# Altium PCB k210-core.PcbDoc (part 3 of 3)
Units mil, origin at the board's own origin, x right, y up, seen from the top; angles counter-clockwise.
Board outline 1855.97 x 1306.99 mil, 4 copper layers (Top Layer, GND, PWR, Bottom Layer), stack 53.912 mil thick; 94 components, 107 nets, 519 pads, 220 vias.
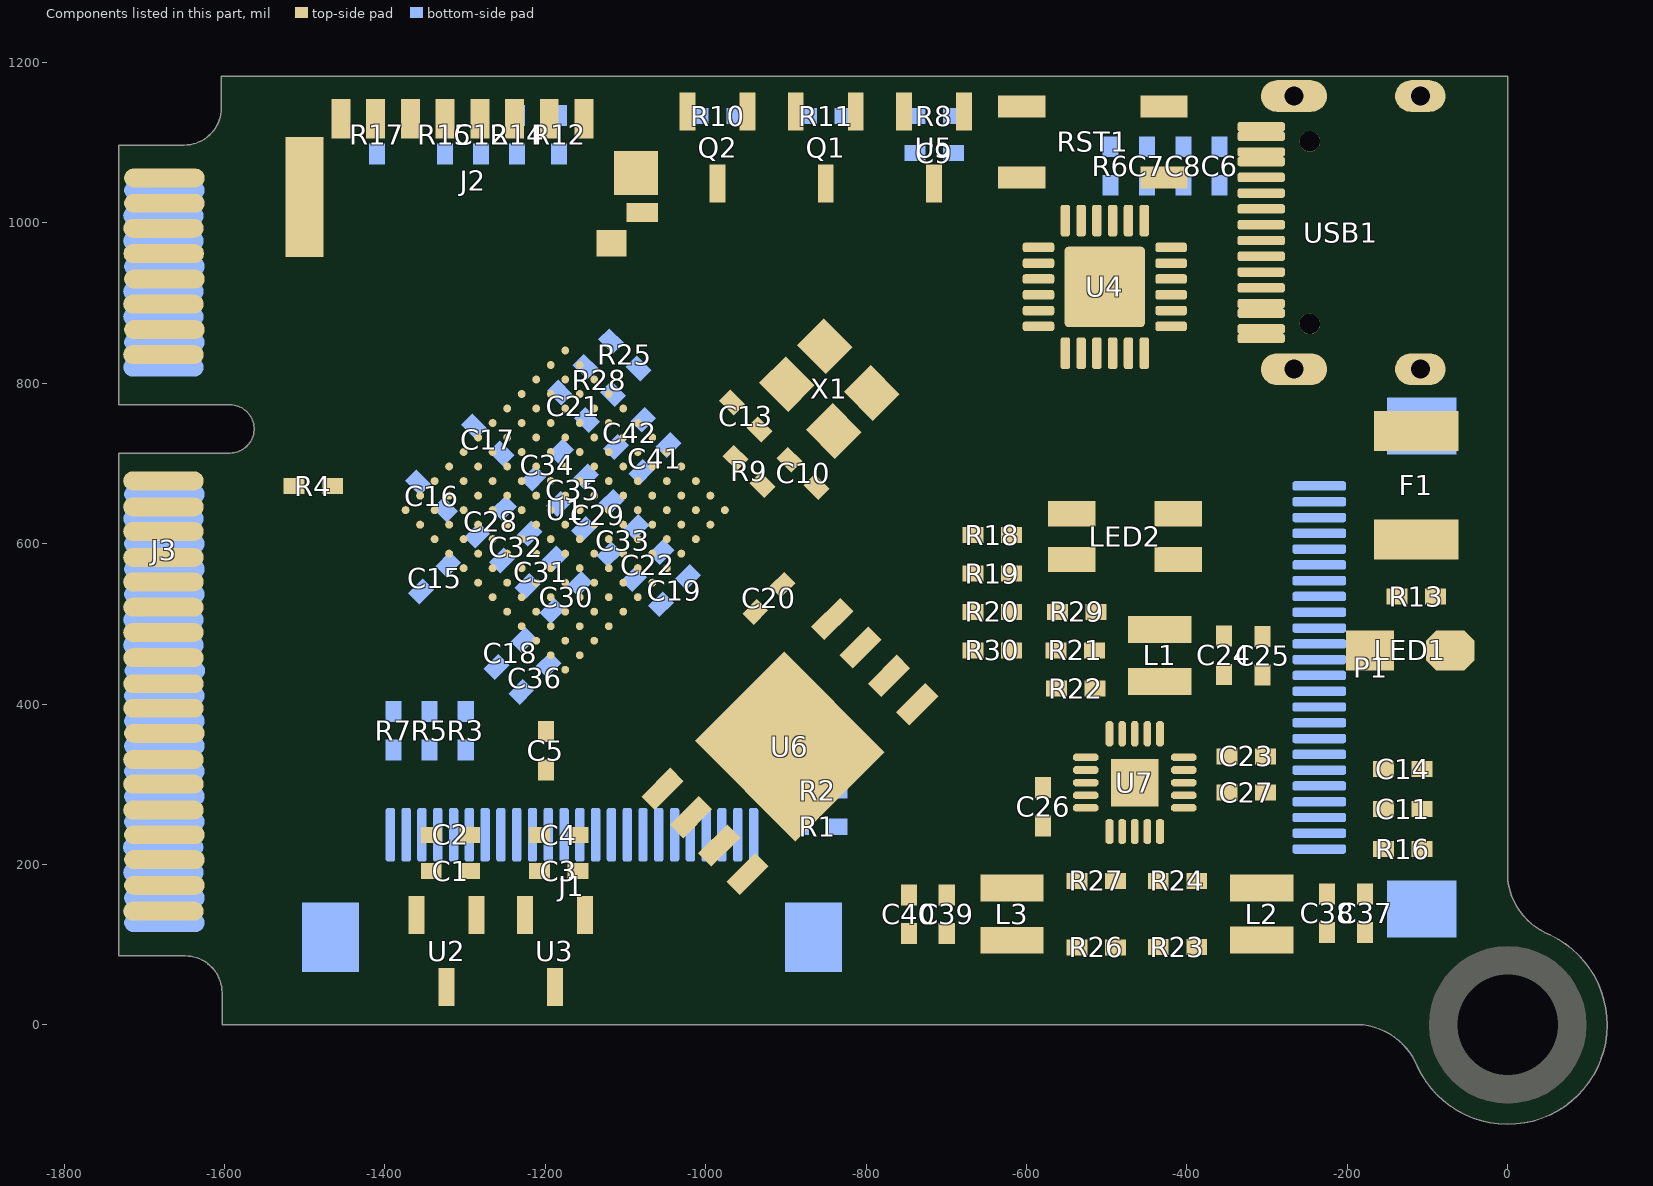
[diagram p5: the components of this part, seen from the top]

## Silkscreen, mask and mechanical layers (free items; w line width, h text height) (continued)
Drill Drawing:
  lines w6: -1650,86.23 -1732,86.23 -1732,713 -1593,713 ccw(c-1593,743) -1593,773 -1732,773 -1732,1097 -1650,1097 ccw(c-1650,1143) -1604,1143 -1604,1183 -1564,1183 ; -1649,86 cw(c-1649,40) -1603,40 -1603,0 -1564.23,0 ; -1564,0 -180,0 cw(c-191,-84) -112.27,-52.71 ; -1563,1183 0,1183 0,180 ccw(c84,191) 52.71,112.27 ; -112.62,-51.9 ccw(c0,0) 53.04,112.08